# Allegro board gps_interface_boardv51ph_smoothed.brd (continued)
## Routing (per net, layer and track width the routed paths; a pad name or vN(x,y) marks a point on that pad's centre or on a via; arc(x,y) is an arc through that point) (continued)
FMC.SCL2: length 272.9
  TOP w0.203: TP41.1 79.97,108.22 arc(80.3,108) 80.68,107.92 84.21,107.92 arc(84.6,108) 84.93,108.22 85.1,108.39 arc(85.43,108.61) 85.82,108.69 U19.9 ; v1(262.81,118.8) 262.81,119.05 262.81,119.05 J14.5
  SIG w0.33: v1(262.81,118.8) 264.39,120.37 arc(264.92,120.73) 265.56,120.85 265.71,120.85 arc(266.43,121.15) 266.73,121.87 266.73,131.33 arc(266.6,131.97) 266.24,132.5 263.18,135.56 arc(262.65,135.92) 262.02,136.04 251.88,136.04 arc(251.24,135.92) 250.71,135.56 249.59,134.44 arc(249.06,134.09) 248.42,133.96 246.8,133.96 arc(246.17,134.09) 245.63,134.44 243.35,136.73 arc(242.81,137.09) 242.18,137.21 226.79,137.21 arc(226.16,137.34) 225.62,137.69 221.31,142.01 arc(220.77,142.37) 220.14,142.49 216.79,142.49 arc(216.16,142.37) 215.62,142.01 211.84,138.23 arc(211.31,137.87) 210.67,137.74 203.24,137.74 arc(202.61,137.87) 202.08,138.23 198.6,141.71 arc(198.06,142.06) 197.43,142.19 191.47,142.19 arc(190.84,142.06) 190.3,141.71 186.82,138.23 arc(186.29,137.87) 185.66,137.74 180.94,137.74 arc(180.31,137.87) 179.77,138.23 176.25,141.76 arc(175.71,142.11) 175.08,142.24 171.15,142.24 arc(170.52,142.11) 169.98,141.76 166.25,138.02 arc(165.71,137.67) 165.08,137.54 155.71,137.54 arc(155.07,137.42) 154.54,137.06 151.24,133.76 arc(150.7,133.4) 150.07,133.27 142.21,133.27 arc(141.58,133.4) 141.04,133.76 137.71,137.08 arc(137.18,137.44) 136.55,137.57 107.93,137.57 arc(103.96,135.92) 102.31,131.95 102.31,115.01 arc(102.19,114.37) 101.83,113.84 100.39,112.4 arc(99.85,112.04) 99.22,111.91 81.61,111.91 arc(80.98,111.79) 80.44,111.43 78.71,109.7 TP41.1
  BOTTOM w0.203: TP41.1 77.6,109.7 arc(77.01,109.95) 76.76,110.55 76.76,111.75 arc(76.68,112.13) 76.46,112.46 75.33,113.6 arc(75.11,113.93) 75.03,114.31 R86.2
FMC.SCL3: length 256.4
  TOP w0.203: TP39.1 80.02,104.64 arc(80.35,104.42) 80.74,104.34 83.75,104.34 arc(84.14,104.42) 84.47,104.64 86.92,107.09 arc(87.25,107.31) 87.64,107.39 U19.11 ; v1(240.51,118.8) 240.51,119.05 240.51,119.05 J18.5
  SIG w0.33: v1(240.51,118.8) 241.8,120.08 arc(242.26,120.39) 242.8,120.5 242.9,120.5 arc(243.42,120.6) 243.85,120.89 243.9,120.94 arc(244.19,121.38) 244.3,121.9 244.3,132.16 arc(243.45,134.2) 241.4,135.05 225.9,135.05 arc(225.26,135.18) 224.73,135.54 220.41,139.85 arc(219.88,140.21) 219.24,140.34 217.69,140.34 arc(217.05,140.21) 216.52,139.85 212.74,136.07 arc(212.2,135.71) 211.57,135.59 202.35,135.59 arc(201.72,135.71) 201.18,136.07 197.7,139.55 arc(197.17,139.9) 196.54,140.03 192.36,140.03 arc(191.73,139.9) 191.2,139.55 187.72,136.07 arc(187.18,135.71) 186.55,135.59 180.05,135.59 arc(179.42,135.71) 178.88,136.07 175.35,139.6 arc(174.82,139.96) 174.18,140.08 172.04,140.08 arc(171.41,139.96) 170.88,139.6 167.14,135.87 arc(166.61,135.51) 165.98,135.38 156.6,135.38 arc(155.97,135.26) 155.43,134.9 152.13,131.6 arc(151.6,131.24) 150.96,131.11 141.31,131.11 arc(140.68,131.24) 140.15,131.6 136.82,134.92 arc(136.28,135.28) 135.65,135.41 108.82,135.41 arc(105.75,134.13) 104.47,131.05 104.47,114.3 arc(104.34,113.67) 103.99,113.13 99.72,108.87 arc(99.19,108.51) 98.55,108.38 81.61,108.38 arc(80.98,108.26) 80.44,107.9 78.71,106.17 TP39.1
  BOTTOM w0.203: R84.2 73.51,119.09 arc(73.43,118.7) 73.21,118.37 72.79,117.95 arc(72.57,117.62) 72.49,117.23 72.49,108.69 arc(72.79,107.97) 73.51,107.67 76.57,107.67 arc(76.96,107.59) 77.29,107.37 TP39.1
FMC.SCL4: length 132.8
  TOP w0.203: J19.5 211.27,119.05 211.28,119.05 v1(211.28,118.8) ; TP33.1 118.27,106.03 arc(118.15,105.95) 118,105.92 101.82,105.92 arc(101.43,106) 101.1,106.22 100.23,107.09 arc(99.9,107.31) 99.51,107.39 U19.14
  SIG w0.203: TP33.1 118.41,106.1 arc(118.76,105.27) 119.58,104.93 123.33,104.93 arc(123.72,104.85) 124.05,104.63 124.7,103.98 arc(125.03,103.76) 125.41,103.68 127.09,103.68 arc(127.48,103.61) 127.81,103.39 129.5,101.69 arc(129.83,101.47) 130.21,101.4 150.86,101.4 arc(151.25,101.47) 151.58,101.69 153.22,103.33 arc(153.55,103.55) 153.94,103.63 156.63,103.63 arc(157.02,103.55) 157.35,103.33 158.12,102.56 arc(158.45,102.34) 158.84,102.26 174.92,102.26 arc(175.3,102.34) 175.63,102.56 176.21,103.13 arc(176.54,103.35) 176.93,103.43 184.45,103.43 arc(185.08,103.69) 185.34,104.32 185.34,104.84 arc(185.42,105.23) 185.64,105.56 186.42,106.33 arc(186.75,106.55) 187.14,106.63 192.77,106.63 arc(193.16,106.71) 193.49,106.93 203.98,117.42 arc(204.31,117.64) 204.7,117.72 205.94,117.72 arc(206.33,117.64) 206.66,117.42 207.12,116.95 arc(207.72,116.71) 208.32,116.95 209.86,118.5 arc(210.19,118.72) 210.58,118.8 v1(211.28,118.8)
  BOTTOM w0.203: TP33.1 116.48,108.11 arc(116.15,108.33) 115.76,108.41 R96.1
FMC.SCL5: length 122.7
  TOP w0.203: U19.16 99.76,108.69 arc(100.15,108.61) 100.47,108.39 101.53,107.33 arc(101.86,107.11) 102.25,107.04 115.33,107.04 arc(115.72,107.11) 116.05,107.33 TP31.1 ; v1(188.98,118.8) 188.98,119.05 188.97,119.05 J20.5
  SIG w0.203: v1(188.98,118.8) 190.02,117.75 arc(190.35,117.53) 190.74,117.45 191.36,117.45 arc(192.17,117.11) 192.51,116.31 192.51,109.6 arc(192.09,108.6) 191.08,108.18 186.86,108.18 arc(186.47,108.1) 186.14,107.88 184.94,106.68 arc(184.34,106.43) 183.74,106.68 182.54,107.88 arc(182.21,108.1) 181.82,108.18 180.2,108.18 arc(179.81,108.1) 179.48,107.88 175.2,103.6 arc(174.87,103.38) 174.48,103.3 159.27,103.3 arc(158.88,103.38) 158.55,103.6 157.78,104.38 arc(157.45,104.6) 157.06,104.67 153.51,104.67 arc(153.12,104.6) 152.79,104.38 151.15,102.74 arc(150.82,102.52) 150.43,102.44 130.65,102.44 arc(130.26,102.52) 129.93,102.74 128.24,104.43 arc(127.91,104.65) 127.52,104.72 125.85,104.72 arc(125.46,104.8) 125.13,105.02 122.47,107.68 arc(122.14,107.9) 121.75,107.98 120.61,107.98 arc(120.22,108.05) 119.9,108.27 118.47,109.7 TP31.1
  BOTTOM w0.203: TP31.1 118.3,109.59 arc(118.2,109.52) 118.09,109.5 114.67,109.5 arc(114.28,109.58) 113.95,109.8 113.87,109.88 arc(113.56,110.09) 113.2,110.16 R98.1
FMC.SCL6: length 89.2
  TOP w0.203: J21.5 166.85,119.05 166.85,119.05 v1(166.85,118.8) ; TP34.1 118.11,113.54 arc(117.8,113.75) 117.44,113.82 111.27,113.82 arc(110.88,113.74) 110.55,113.52 105.5,108.48 arc(105.17,108.26) 104.79,108.18 102.68,108.18 arc(102.29,108.26) 101.96,108.48 100.75,109.69 arc(100.42,109.91) 100.03,109.99 U19.18
  SIG w0.203: TP34.1 119.39,112.26 arc(119.72,112.04) 120.11,111.96 124.29,111.96 arc(124.68,112.04) 125.01,112.26 129.7,116.95 arc(130.03,117.17) 130.42,117.25 140.7,117.25 arc(141.09,117.32) 141.42,117.54 142.04,118.17 arc(142.37,118.39) 142.76,118.47 144.44,118.47 arc(144.82,118.54) 145.15,118.76 151.52,125.13 arc(151.85,125.35) 152.24,125.43 159.68,125.43 arc(160.06,125.35) 160.39,125.13 160.97,124.55 arc(161.19,124.22) 161.26,123.84 161.26,123.41 arc(161.34,123.02) 161.56,122.69 165.16,119.09 arc(165.49,118.87) 165.88,118.8 v1(166.85,118.8)
  BOTTOM w0.203: R100.1 112.76,112.76 arc(113,113.33) 113.57,113.56 117.87,113.56 arc(118.07,113.52) 118.24,113.41 TP34.1
FMC.SCL_FPGA: length 306.3
  TOP w0.203: v1(95.05,76.45) 93.68,76.45 arc(91.16,75.41) 90.12,72.9 90.12,30.67 arc(90.2,30.28) 90.42,29.95 105.54,14.83 arc(105.76,14.5) 105.84,14.11 105.84,9.82 arc(105.92,9.43) 106.14,9.1 110.7,4.54 arc(111.03,4.32) 111.42,4.24 139.45,4.24 arc(140.07,4.5) 140.34,5.13 v1(140.34,6.06) ; TP25.1 118.34,116.84 106.77,116.84 arc(106.38,116.76) 106.05,116.54 102.39,112.88 arc(102.07,112.66) 101.68,112.59 U19.22 ; U49.6 v1(81.61,12.09)
  SIG w0.203: v1(95.05,76.45) 95.05,85.61 arc(95.12,86) 95.34,86.33 101.35,92.34 arc(101.57,92.67) 101.65,93.05 101.65,94.14 arc(101.73,94.53) 101.95,94.86 111.36,104.27 arc(111.58,104.6) 111.66,104.99 111.66,112.76 arc(111.74,113.15) 111.96,113.48 114.94,116.47 arc(115.27,116.69) 115.66,116.76 TP25.1 ; v1(81.61,12.09) 81.33,12.09 arc(80.95,11.93) 80.8,11.56 80.8,9.56 arc(80.85,9.27) 81.02,9.03 81.27,8.78 81.49,8.55 arc(81.63,8.34) 81.68,8.08 81.68,4.55 arc(82.46,2.68) 84.33,1.9 96.75,1.9 arc(98.28,2.54) 98.91,4.07 98.91,24.46 arc(99.24,25.27) 100.05,25.6 101.33,25.6 arc(101.72,25.52) 102.05,25.3 102.4,24.96 arc(102.73,24.74) 103.12,24.66 107.22,24.66 arc(108.43,24.16) 108.94,22.94 108.94,8.18 arc(110.17,5.2) 113.16,3.96 138.68,3.96 arc(139.85,4.44) 140.34,5.61 v1(140.34,6.06)
  BOTTOM w0.203: TP25.1 118.43,116.78 R91.2
  BOTTOM w0.33: J8.C30 v1(140.34,6.06)
FMC.SDA0: length 473
  TOP w0.203: U10.8 U10.7 65.6,82.45 arc(65.99,82.53) 66.32,82.75 66.4,82.84 arc(66.73,83.06) 67.12,83.13 v1(71.09,83.13) ; U48.18 111.51,74.85 arc(111.47,74.67) 111.37,74.51 111.34,74.48 arc(111.24,74.33) 111.2,74.15 111.2,71.69 arc(111.19,71.61) 111.14,71.54 111.11,71.51 arc(111.06,71.44) 111.05,71.36 v1(111.05,70.92) ; v1(71.81,56.34) 70.49,56.34 70.48,56.35 U13.7 U13.8 ; v1(203.96,32.28) 203.77,32.09 arc(203.65,31.91) 203.61,31.7 203.61,14.02 arc(203.15,12.92) 202.05,12.47 U52.23 198.07,12.47 arc(197.35,12.17) 197.05,11.45 197.05,9.04 arc(197.52,7.91) 198.65,7.44 210.85,7.44 arc(212.08,7.96) 212.6,9.19 212.6,10.95 arc(213.08,12.11) 214.24,12.59 U53.23 ; U19.4 91.62,111.94 91.59,111.91 87.74,111.91 arc(87.35,111.99) 87.02,112.21 85.26,113.97 arc(85.04,114.3) 84.96,114.68 84.96,115.75 arc(84.67,116.47) 83.95,116.76 TP44.1 80.31,118.47 arc(79.98,118.69) 79.59,118.77 72.51,118.77 arc(72.12,118.69) 71.79,118.47 v1(71.09,117.78) ; U46.1 15.46,93.13 arc(15.87,94.13) 16.87,94.54 v1(29.08,94.54) ; U8.8 U8.7 28.58,61.58 28.59,61.57 v1(29.08,61.57)
  SIG w0.203: v1(71.09,83.13) 77.91,76.32 arc(78.24,76.1) 78.63,76.02 91.4,76.02 arc(91.79,75.94) 92.12,75.72 94.85,72.99 arc(95.18,72.77) 95.57,72.69 97.79,72.69 arc(98.85,72.26) 99.29,71.2 99.29,66.51 arc(99.37,66.12) 99.59,65.79 101.94,63.44 arc(102.27,63.22) 102.66,63.14 106.88,63.14 arc(107.6,63.44) 107.9,64.16 107.9,73.76 arc(108.26,74.62) 109.12,74.98 111.96,74.98 arc(112.72,74.67) 113.03,73.91 113.03,71.89 arc(112.75,71.2) 112.06,70.92 v1(111.05,70.92) 109.77,69.64 arc(109.55,69.31) 109.47,68.92 109.47,51.56 arc(109.55,51.17) 109.77,50.84 113.73,46.88 arc(114.06,46.66) 114.45,46.58 181.27,46.58 arc(181.65,46.51) 181.98,46.29 184.89,43.38 arc(185.11,43.05) 185.19,42.66 185.19,34.26 arc(186.1,32.07) 188.29,31.17 199.6,31.17 arc(199.99,31.24) 200.32,31.46 202.01,33.15 arc(202.55,33.37) 203.1,33.15 v1(203.96,32.28) ; v1(29.08,94.54) v1(29.08,61.57) 29.08,60.43 arc(30.78,56.33) 34.87,54.64 47.61,54.64 arc(48,54.56) 48.33,54.34 49.94,52.72 arc(50.27,52.5) 50.66,52.43 70.31,52.43 arc(71.37,52.86) 71.81,53.92 v1(71.81,56.34)
  BOTTOM w0.203: v1(71.81,56.34) 71.81,57.14 arc(71.73,57.52) 71.51,57.85 71.39,57.97 arc(71.17,58.3) 71.09,58.69 v1(71.09,83.13) v1(71.09,117.78) ; TP44.1 84.03,118.78 arc(84.25,119.11) 84.33,119.5 R89.2
FMC.SDA1: length 281.6
  TOP w0.203: J13.4 285.68,122.32 arc(285.73,122.55) 285.85,122.74 v1(286.05,122.94) ; U19.6 87.07,110.64 arc(86.68,110.71) 86.35,110.94 84.35,112.94 arc(84.02,113.16) 83.63,113.23 TP42.1
  SIG w0.33: TP42.1 82.04,113.23 82.75,113.94 arc(83.29,114.3) 83.92,114.43 99.52,114.43 arc(100.68,114.91) 101.17,116.08 101.17,132.42 arc(103.01,136.87) 107.46,138.71 137.02,138.71 arc(137.65,138.58) 138.19,138.23 141.51,134.9 arc(142.05,134.54) 142.68,134.42 149.6,134.42 arc(150.23,134.54) 150.76,134.9 154.06,138.2 arc(154.6,138.56) 155.23,138.68 164.61,138.68 arc(165.24,138.81) 165.78,139.17 169.51,142.9 arc(170.04,143.26) 170.68,143.38 175.55,143.38 arc(176.18,143.26) 176.72,142.9 180.25,139.37 arc(180.78,139.01) 181.42,138.89 185.18,138.89 arc(185.81,139.01) 186.35,139.37 189.83,142.85 arc(190.36,143.21) 191,143.33 197.9,143.33 arc(198.54,143.21) 199.07,142.85 202.55,139.37 arc(203.09,139.01) 203.72,138.89 210.2,138.89 arc(210.83,139.01) 211.37,139.37 215.15,143.15 arc(215.69,143.51) 216.32,143.64 220.61,143.64 arc(221.24,143.51) 221.78,143.15 226.1,138.84 arc(226.63,138.48) 227.26,138.35 242.29,138.35 arc(242.92,138.48) 243.46,138.84 244.19,139.57 arc(244.73,139.93) 245.36,140.06 248.54,140.06 arc(249.17,139.93) 249.71,139.57 251.18,138.1 arc(251.72,137.74) 252.35,137.62 262.71,137.62 arc(263.35,137.49) 263.88,137.13 267.84,133.17 arc(268.38,132.82) 269.01,132.69 271.58,132.69 arc(272.21,132.82) 272.75,133.17 274.6,135.03 arc(275.13,135.38) 275.77,135.51 283.92,135.51 arc(287.35,134.09) 288.77,130.66 288.77,125.01 arc(288.17,123.54) 286.7,122.94 v1(286.05,122.94)
  BOTTOM w0.203: TP42.1 83.85,115.07 arc(84.07,115.4) 84.15,115.79 84.15,117.21 arc(84.23,117.6) 84.45,117.93 85.5,118.98 arc(85.72,119.31) 85.8,119.7 R87.2
FMC.SDA2: length 259
  TOP w0.203: TP40.1 84.83,109.7 arc(85.05,109.66) 85.23,109.53 85.26,109.51 arc(85.45,109.38) 85.67,109.34 U19.8 ; J14.4 263.61,122.32 arc(263.66,122.55) 263.78,122.74 v1(263.98,122.94)
  SIG w0.33: TP40.1 82.04,109.7 82.75,110.41 arc(83.29,110.77) 83.92,110.9 99.64,110.9 arc(100.27,111.02) 100.81,111.38 102.84,113.42 arc(103.2,113.95) 103.33,114.58 103.33,131.53 arc(104.8,135.08) 108.35,136.55 136.13,136.55 arc(136.76,136.42) 137.29,136.07 140.62,132.74 arc(141.15,132.38) 141.79,132.26 150.49,132.26 arc(151.12,132.38) 151.66,132.74 154.96,136.04 arc(155.49,136.4) 156.13,136.53 165.5,136.53 arc(166.13,136.65) 166.67,137.01 170.4,140.74 arc(170.94,141.1) 171.57,141.22 174.66,141.22 arc(175.29,141.1) 175.83,140.74 179.35,137.21 arc(179.89,136.85) 180.52,136.73 186.08,136.73 arc(186.71,136.85) 187.24,137.21 190.72,140.69 arc(191.26,141.05) 191.89,141.17 197.01,141.17 arc(197.64,141.05) 198.18,140.69 201.66,137.21 arc(202.19,136.85) 202.82,136.73 211.1,136.73 arc(211.73,136.85) 212.26,137.21 216.05,140.99 arc(216.58,141.35) 217.21,141.48 219.72,141.48 arc(220.35,141.35) 220.89,140.99 225.2,136.68 arc(225.74,136.32) 226.37,136.19 241.76,136.19 arc(242.39,136.07) 242.93,135.71 245.21,133.43 arc(245.75,133.07) 246.38,132.94 248.85,132.94 arc(249.48,133.07) 250.01,133.43 251.13,134.54 arc(251.66,134.9) 252.3,135.03 261.6,135.03 arc(262.23,134.9) 262.76,134.54 265.23,132.08 arc(265.58,131.55) 265.71,130.91 265.71,123.97 arc(265.47,123.4) 264.9,123.16 264.21,123.16 v1(263.98,122.94)
  BOTTOM w0.203: TP40.1 84.64,112.33 arc(84.86,112.66) 84.94,113.04 84.94,116.42 arc(85.01,116.81) 85.24,117.14 86.95,118.85 arc(87.17,119.18) 87.25,119.57 R85.2
FMC.SDA3: length 241
  TOP w0.203: TP38.1 84.16,106.17 arc(84.55,106.25) 84.88,106.47 86.15,107.74 arc(86.48,107.96) 86.87,108.04 U19.10 ; v1(241.73,123.04) 241.51,122.81 arc(241.36,122.59) 241.31,122.34 J18.4
  SIG w0.33: TP38.1 82.04,106.17 82.75,106.88 arc(83.29,107.24) 83.92,107.37 99.8,107.37 arc(100.43,107.49) 100.97,107.85 105,111.89 arc(105.36,112.42) 105.49,113.05 105.49,130.63 arc(106.59,133.29) 109.25,134.39 135.23,134.39 arc(135.86,134.27) 136.4,133.91 139.72,130.58 arc(140.26,130.22) 140.89,130.1 151.39,130.1 arc(152.02,130.22) 152.55,130.58 155.85,133.88 arc(156.39,134.24) 157.02,134.37 166.4,134.37 arc(167.03,134.49) 167.56,134.85 171.3,138.58 arc(171.83,138.94) 172.46,139.06 173.76,139.06 arc(174.4,138.94) 174.93,138.58 178.46,135.05 arc(179,134.69) 179.63,134.57 186.97,134.57 arc(187.6,134.69) 188.14,135.05 191.62,138.53 arc(192.15,138.89) 192.78,139.01 196.12,139.01 arc(196.75,138.89) 197.28,138.53 200.76,135.05 arc(201.3,134.69) 201.93,134.57 211.99,134.57 arc(212.62,134.69) 213.16,135.05 217.42,139.32 arc(218.47,139.75) 219.51,139.32 224.31,134.52 arc(224.84,134.16) 225.47,134.04 241.15,134.04 arc(242.8,133.35) 243.48,131.7 243.48,124.04 arc(243.19,123.33) 242.48,123.04 v1(241.73,123.04)
  BOTTOM w0.203: TP38.1 85.45,109.61 arc(85.67,109.94) 85.75,110.33 85.75,116.09 arc(85.83,116.48) 86.05,116.81 88.44,119.2 arc(88.65,119.51) 88.72,119.89 R83.2
FMC.SDA4: length 132.1
  TOP w0.203: v1(212.07,121.87) J19.4 ; U19.13 99.39,106.74 arc(99.78,106.66) 100.11,106.44 101.63,104.92 arc(101.96,104.7) 102.35,104.62 119.62,104.62 arc(120.01,104.7) 120.34,104.92 TP32.1
  SIG w0.203: TP32.1 122.77,106.22 arc(123.16,106.15) 123.49,105.93 124.91,104.5 arc(125.24,104.28) 125.63,104.2 127.3,104.2 arc(127.69,104.13) 128.02,103.91 129.71,102.22 arc(130.04,101.99) 130.43,101.92 150.65,101.92 arc(151.03,101.99) 151.36,102.22 153,103.86 arc(153.33,104.08) 153.72,104.15 156.84,104.15 arc(157.23,104.08) 157.56,103.86 158.34,103.08 arc(158.67,102.86) 159.06,102.78 174.7,102.78 arc(175.09,102.86) 175.42,103.08 179.46,107.12 arc(179.79,107.34) 180.18,107.42 181.52,107.42 arc(181.91,107.34) 182.24,107.12 183.04,106.32 arc(183.37,106.1) 183.76,106.02 184.77,106.02 arc(185.16,106.1) 185.49,106.32 186.29,107.12 arc(186.62,107.34) 187.01,107.42 192.82,107.42 arc(193.21,107.49) 193.54,107.71 203.77,117.94 arc(204.1,118.16) 204.48,118.24 206.16,118.24 arc(206.55,118.16) 206.88,117.94 207.08,117.73 arc(207.37,117.54) 207.7,117.47 207.74,117.47 arc(208.07,117.54) 208.36,117.73 211.94,121.31 arc(212.04,121.46) 212.07,121.64 v1(212.07,121.87)
  BOTTOM w0.203: TP32.1 123.11,107.69 arc(123.37,107.86) 123.67,107.92 R97.1
FMC.SDA5: length 119.4
  TOP w0.203: v1(189.77,121.87) J20.4 ; TP30.1 120.06,108.17 arc(119.73,107.95) 119.34,107.87 117.9,107.87 arc(117.51,107.8) 117.18,107.58 116.4,106.8 arc(116.07,106.58) 115.68,106.5 102.05,106.5 arc(101.66,106.58) 101.33,106.8 100.39,107.74 arc(100.06,107.96) 99.67,108.04 U19.15
  SIG w0.203: v1(189.77,121.87) 188.64,120.74 arc(188.42,120.41) 188.34,120.02 188.34,118.02 arc(188.42,117.63) 188.64,117.3 191.27,114.67 arc(191.49,114.34) 191.57,113.96 191.57,110.03 arc(191.19,109.13) 190.3,108.76 180,108.76 arc(179.61,108.69) 179.28,108.47 174.97,104.16 arc(174.64,103.94) 174.25,103.86 159.5,103.86 arc(159.11,103.94) 158.78,104.16 158.01,104.93 arc(157.68,105.15) 157.29,105.23 153.28,105.23 arc(152.89,105.15) 152.56,104.93 150.92,103.29 arc(150.59,103.07) 150.2,102.99 130.88,102.99 arc(130.49,103.07) 130.16,103.29 128.47,104.98 arc(128.14,105.2) 127.75,105.28 126.08,105.28 arc(125.69,105.36) 125.36,105.58 121.79,109.15 arc(121.68,109.31) 121.64,109.5 TP30.1
  BOTTOM w0.203: R99.1 TP30.1
FMC.SDA6: length 84.8
  TOP w0.203: TP35.1 120.62,112.26 arc(120.29,112.04) 119.9,111.96 117.46,111.96 arc(117.08,112.04) 116.75,112.26 116.07,112.94 arc(115.74,113.16) 115.35,113.23 111.44,113.23 arc(111.06,113.16) 110.73,112.94 105.81,108.02 arc(105.48,107.8) 105.09,107.72 102.38,107.72 arc(101.99,107.8) 101.66,108.02 100.64,109.04 arc(100.31,109.26) 99.92,109.34 U19.17 ; v1(167.65,121.87) J21.4
  SIG w0.203: TP35.1 124.57,113.28 arc(124.96,113.36) 125.29,113.58 129.24,117.53 arc(129.57,117.75) 129.96,117.83 140.3,117.83 arc(140.68,117.91) 141.01,118.13 149.21,126.32 arc(149.54,126.54) 149.93,126.62 159.19,126.62 arc(159.58,126.54) 159.91,126.32 163.16,123.07 arc(163.49,122.85) 163.88,122.77 166.33,122.77 arc(166.72,122.69) 167.04,122.47 v1(167.65,121.87)
  BOTTOM w0.203: R101.1 123.68,111.56 arc(123.39,111.61) 123.14,111.78 TP35.1
FMC.SDA_FPGA: length 304.8
  TOP w0.203: TP26.1 120.67,117.79 arc(120.34,118.01) 119.95,118.08 106.67,118.08 arc(106.28,118.01) 105.95,117.79 101.7,113.53 arc(101.37,113.31) 100.98,113.24 U19.23 ; U49.5 v1(81.61,10.82) ; v1(95.05,75.41) 94.18,75.41 arc(92.05,74.53) 91.16,72.39 91.16,30.27 arc(91.24,29.88) 91.46,29.55 106.1,14.9 arc(106.32,14.57) 106.4,14.18 106.4,10.15 arc(106.48,9.76) 106.7,9.43 111.18,4.95 arc(111.51,4.73) 111.9,4.65 138.38,4.65 arc(138.86,4.85) 139.06,5.33 v1(139.06,6.06)
  SIG w0.203: TP26.1 120.34,115.51 arc(120.01,115.29) 119.62,115.21 115.15,115.21 arc(114.76,115.14) 114.43,114.92 112.69,113.18 arc(112.47,112.85) 112.39,112.46 112.39,104.69 arc(112.32,104.3) 112.1,103.97 102.69,94.56 arc(102.46,94.23) 102.39,93.84 102.39,92.75 arc(102.31,92.36) 102.09,92.03 96.31,86.25 arc(96.09,85.92) 96.01,85.53 96.01,76.8 arc(95.93,76.41) 95.71,76.08 v1(95.05,75.41) ; v1(81.61,10.82) 81.61,9.49 arc(81.68,9.15) 81.88,8.85 81.9,8.82 arc(82.1,8.53) 82.17,8.18 82.17,4.75 arc(82.86,3.08) 84.53,2.39 96.55,2.39 arc(97.87,2.94) 98.42,4.27 98.42,24.66 arc(98.84,25.67) 99.85,26.09 101.53,26.09 arc(101.92,26.01) 102.25,25.79 102.6,25.44 arc(102.93,25.22) 103.32,25.15 107.18,25.15 arc(108.77,24.49) 109.42,22.9 109.42,8.38 arc(110.58,5.6) 113.36,4.45 138.28,4.45 arc(138.83,4.68) 139.06,5.23 v1(139.06,6.06)
  BOTTOM w0.203: R92.2 121.65,116.83 TP26.1
  BOTTOM w0.33: J8.C31 v1(139.06,6.06)
FMC.SFP_TX_DISABLE0: length 203.7
  TOP w0.203: U52.13 v1(199.69,32.74) ; J13.3 v1(286.48,118.88)
  SIG w0.203: v1(199.69,32.74) 199.69,33.76 arc(199.98,34.46) 200.67,34.75 204.22,34.75 arc(204.93,34.45) 205.23,33.73 205.23,32.65 arc(205.15,32.26) 204.93,31.93 204.18,31.18 arc(203.96,30.85) 203.89,30.47 203.89,27.94 arc(204.36,26.79) 205.51,26.31 227.67,26.31 arc(228.06,26.39) 228.39,26.61 256.29,54.52 arc(256.62,54.74) 257.01,54.81 260.79,54.81 arc(261.18,54.89) 261.51,55.11 268.46,62.06 arc(268.79,62.28) 269.18,62.36 296.85,62.36 arc(300.05,63.68) 301.37,66.88 301.37,101.26 arc(301.29,101.64) 301.07,101.97 288.79,114.26 arc(288.46,114.48) 288.07,114.55 287.53,114.55 arc(286.79,114.86) 286.48,115.6 v1(286.48,118.88)
FMC.SFP_TX_DISABLE1: length 160.7
  TOP w0.203: J14.3 v1(264.41,118.82) ; v1(221.74,32.54) 220.19,34.09 arc(219.86,34.31) 219.47,34.39 200.08,34.39 arc(198.96,33.93) 198.5,32.82 198.5,18.89 arc(198.67,18.49) 199.08,18.32 U52.14
  SIG w0.203: v1(221.74,32.54) 251.75,62.54 arc(252.08,62.76) 252.47,62.84 262.39,62.84 arc(262.78,62.92) 263.11,63.14 269.96,69.98 arc(270.18,70.31) 270.26,70.7 270.26,78.73 arc(270.33,79.11) 270.55,79.44 273.74,82.63 arc(273.96,82.96) 274.04,83.35 274.04,99.21 274.02,99.24 274.02,107.2 arc(273.94,107.59) 273.72,107.92 267.18,114.46 arc(266.85,114.68) 266.46,114.76 265.43,114.76 arc(264.71,115.06) 264.41,115.78 v1(264.41,118.82)
FMC.SFP_TX_DISABLE2: length 145.8
  TOP w0.203: v1(219.7,35.65) 199.81,35.65 arc(197.99,34.89) 197.23,33.07 197.23,18.68 arc(197.53,17.97) 198.25,17.67 U52.15 ; J18.3 v1(242.11,118.82)
  SIG w0.203: v1(219.7,35.65) 220.62,35.65 arc(221.01,35.73) 221.34,35.95 248.98,63.58 arc(249.2,63.91) 249.28,64.3 249.28,82.66 arc(249.35,83.05) 249.57,83.38 252.66,86.47 arc(252.88,86.8) 252.96,87.19 252.96,97.83 arc(252.88,98.22) 252.66,98.54 251.73,99.47 arc(251.51,99.8) 251.43,100.19 251.43,107.4 arc(251.36,107.79) 251.14,108.12 244.95,114.31 arc(244.62,114.53) 244.23,114.6 243.13,114.6 arc(242.41,114.9) 242.11,115.62 v1(242.11,118.82)
FMC.SFP_TX_DISABLE3: length 120
  TOP w0.203: U52.16 197.03,17.02 arc(196.31,17.32) 196.01,18.03 v1(196.01,32.77) ; J19.3 v1(212.87,118.82)
  SIG w0.203: v1(212.87,118.82) 212.87,117.57 arc(212.28,116.14) 210.85,115.54 209.77,115.54 arc(209.38,115.47) 209.05,115.25 208.78,114.98 arc(208.45,114.76) 208.06,114.68 206.08,114.68 arc(205.7,114.76) 205.37,114.98 204.57,115.77 arc(203.96,116.03) 203.35,115.77 200.04,112.46 arc(199.82,112.13) 199.75,111.75 199.75,101.87 arc(199.82,101.48) 200.04,101.15 200.74,100.45 arc(200.96,100.12) 201.04,99.73 201.04,86.2 arc(200.96,85.81) 200.74,85.48 198.85,83.58 arc(198.63,83.25) 198.55,82.87 198.55,37.86 arc(198.47,37.47) 198.25,37.14 196.31,35.2 arc(196.09,34.87) 196.01,34.48 v1(196.01,32.77)
FMC.SFP_TX_DISABLE4: length 180.8
  TOP w0.203: v1(212.42,38.81) 212.32,38.91 196.09,38.91 arc(195.24,38.56) 194.89,37.72 194.89,17.4 arc(195.19,16.68) 195.91,16.38 198.65,16.38 198.67,16.37 U52.17 ; J20.3 v1(190.57,118.82)
  SIG w0.203: v1(212.42,38.81) 212.42,61.89 arc(212.34,62.27) 212.12,62.6 206.42,68.31 arc(206.2,68.64) 206.12,69.03 206.12,77.4 arc(206.04,77.79) 205.82,78.12 204.92,79.03 arc(204.7,79.36) 204.62,79.75 204.62,84.72 arc(204.7,85.11) 204.92,85.44 208.21,88.73 arc(208.43,89.06) 208.51,89.45 208.51,102.98 arc(208.43,103.37) 208.21,103.7 207.99,103.92 arc(207.77,104.25) 207.7,104.64 207.7,105.71 arc(208.14,106.79) 209.22,107.24 218.72,107.24 arc(221.16,108.25) 222.17,110.69 222.17,121.11 arc(221.88,121.83) 221.16,122.12 216.37,122.12 arc(215.98,122.2) 215.65,122.42 215.15,122.92 arc(214.82,123.14) 214.44,123.22 207.15,123.22 arc(206.76,123.29) 206.43,123.51 204.84,125.1 arc(204.51,125.32) 204.13,125.4 202.73,125.4 arc(202.34,125.32) 202.01,125.1 198.75,121.84 arc(198.42,121.62) 198.03,121.54 196.25,121.54 arc(195.87,121.46) 195.54,121.24 193.42,119.12 arc(193.09,118.9) 192.7,118.82 v1(190.57,118.82)
FMC.SFP_TX_DISABLE5: length 251.7
  TOP w0.203: J21.3 v1(168.45,118.82) ; v1(193.78,32.72) 193.78,17.09 arc(194.18,16.12) 195.15,15.72 U52.18
  SIG w0.203: v1(193.78,32.72) 187.58,32.72 arc(186.41,33.2) 185.93,34.37 185.93,43.01 arc(185.85,43.4) 185.63,43.73 182.34,47.02 arc(182.01,47.24) 181.62,47.32 114.87,47.32 arc(114.48,47.4) 114.15,47.62 110.36,51.42 arc(110.14,51.75) 110.06,52.14 110.06,64.53 arc(110.14,64.92) 110.36,65.25 118.52,73.41 arc(118.74,73.74) 118.82,74.13 118.82,78.92 arc(119.33,80.14) 120.55,80.64 124.82,80.64 arc(126.03,81.15) 126.53,82.36 126.53,84.55 arc(126.45,84.94) 126.23,85.27 118.51,93 arc(118.29,93.33) 118.21,93.72 118.21,100.59 arc(118.13,100.98) 117.91,101.31 116.4,102.83 arc(116.18,103.16) 116.1,103.54 116.1,109.91 arc(116.43,110.7) 117.22,111.02 125.1,111.02 arc(125.28,110.99) 125.44,110.89 125.46,110.86 arc(125.62,110.75) 125.8,110.72 127.28,110.72 arc(128,111.02) 128.3,111.73 128.3,112.47 arc(128.59,113.19) 129.31,113.49 133.08,113.49 arc(133.47,113.56) 133.8,113.78 134.63,114.61 arc(134.96,114.83) 135.35,114.91 140.85,114.91 arc(141.24,114.83) 141.57,114.61 142.68,113.51 arc(143.01,113.29) 143.4,113.21 151.01,113.21 arc(151.4,113.29) 151.73,113.51 155.43,117.2 arc(155.76,117.42) 156.15,117.5 167.81,117.5 arc(168.26,117.69) 168.45,118.14 v1(168.45,118.82)